# Altium PCB node24.PcbDoc (part 10 of 10)
Units mm, origin at the board's own origin, x right, y up, seen from the top; angles counter-clockwise.
Board outline 177.92 x 177.92 mm, 6 copper layers (L1 - Signal 1 (Top), L2 - Signal 2, L3 - Ground, L4 - Power, L5 - Signal 3, L6 - Signal 4 (Bot)), stack 1.511 mm thick; 721 components, 595 nets, 2782 pads, 2075 vias.
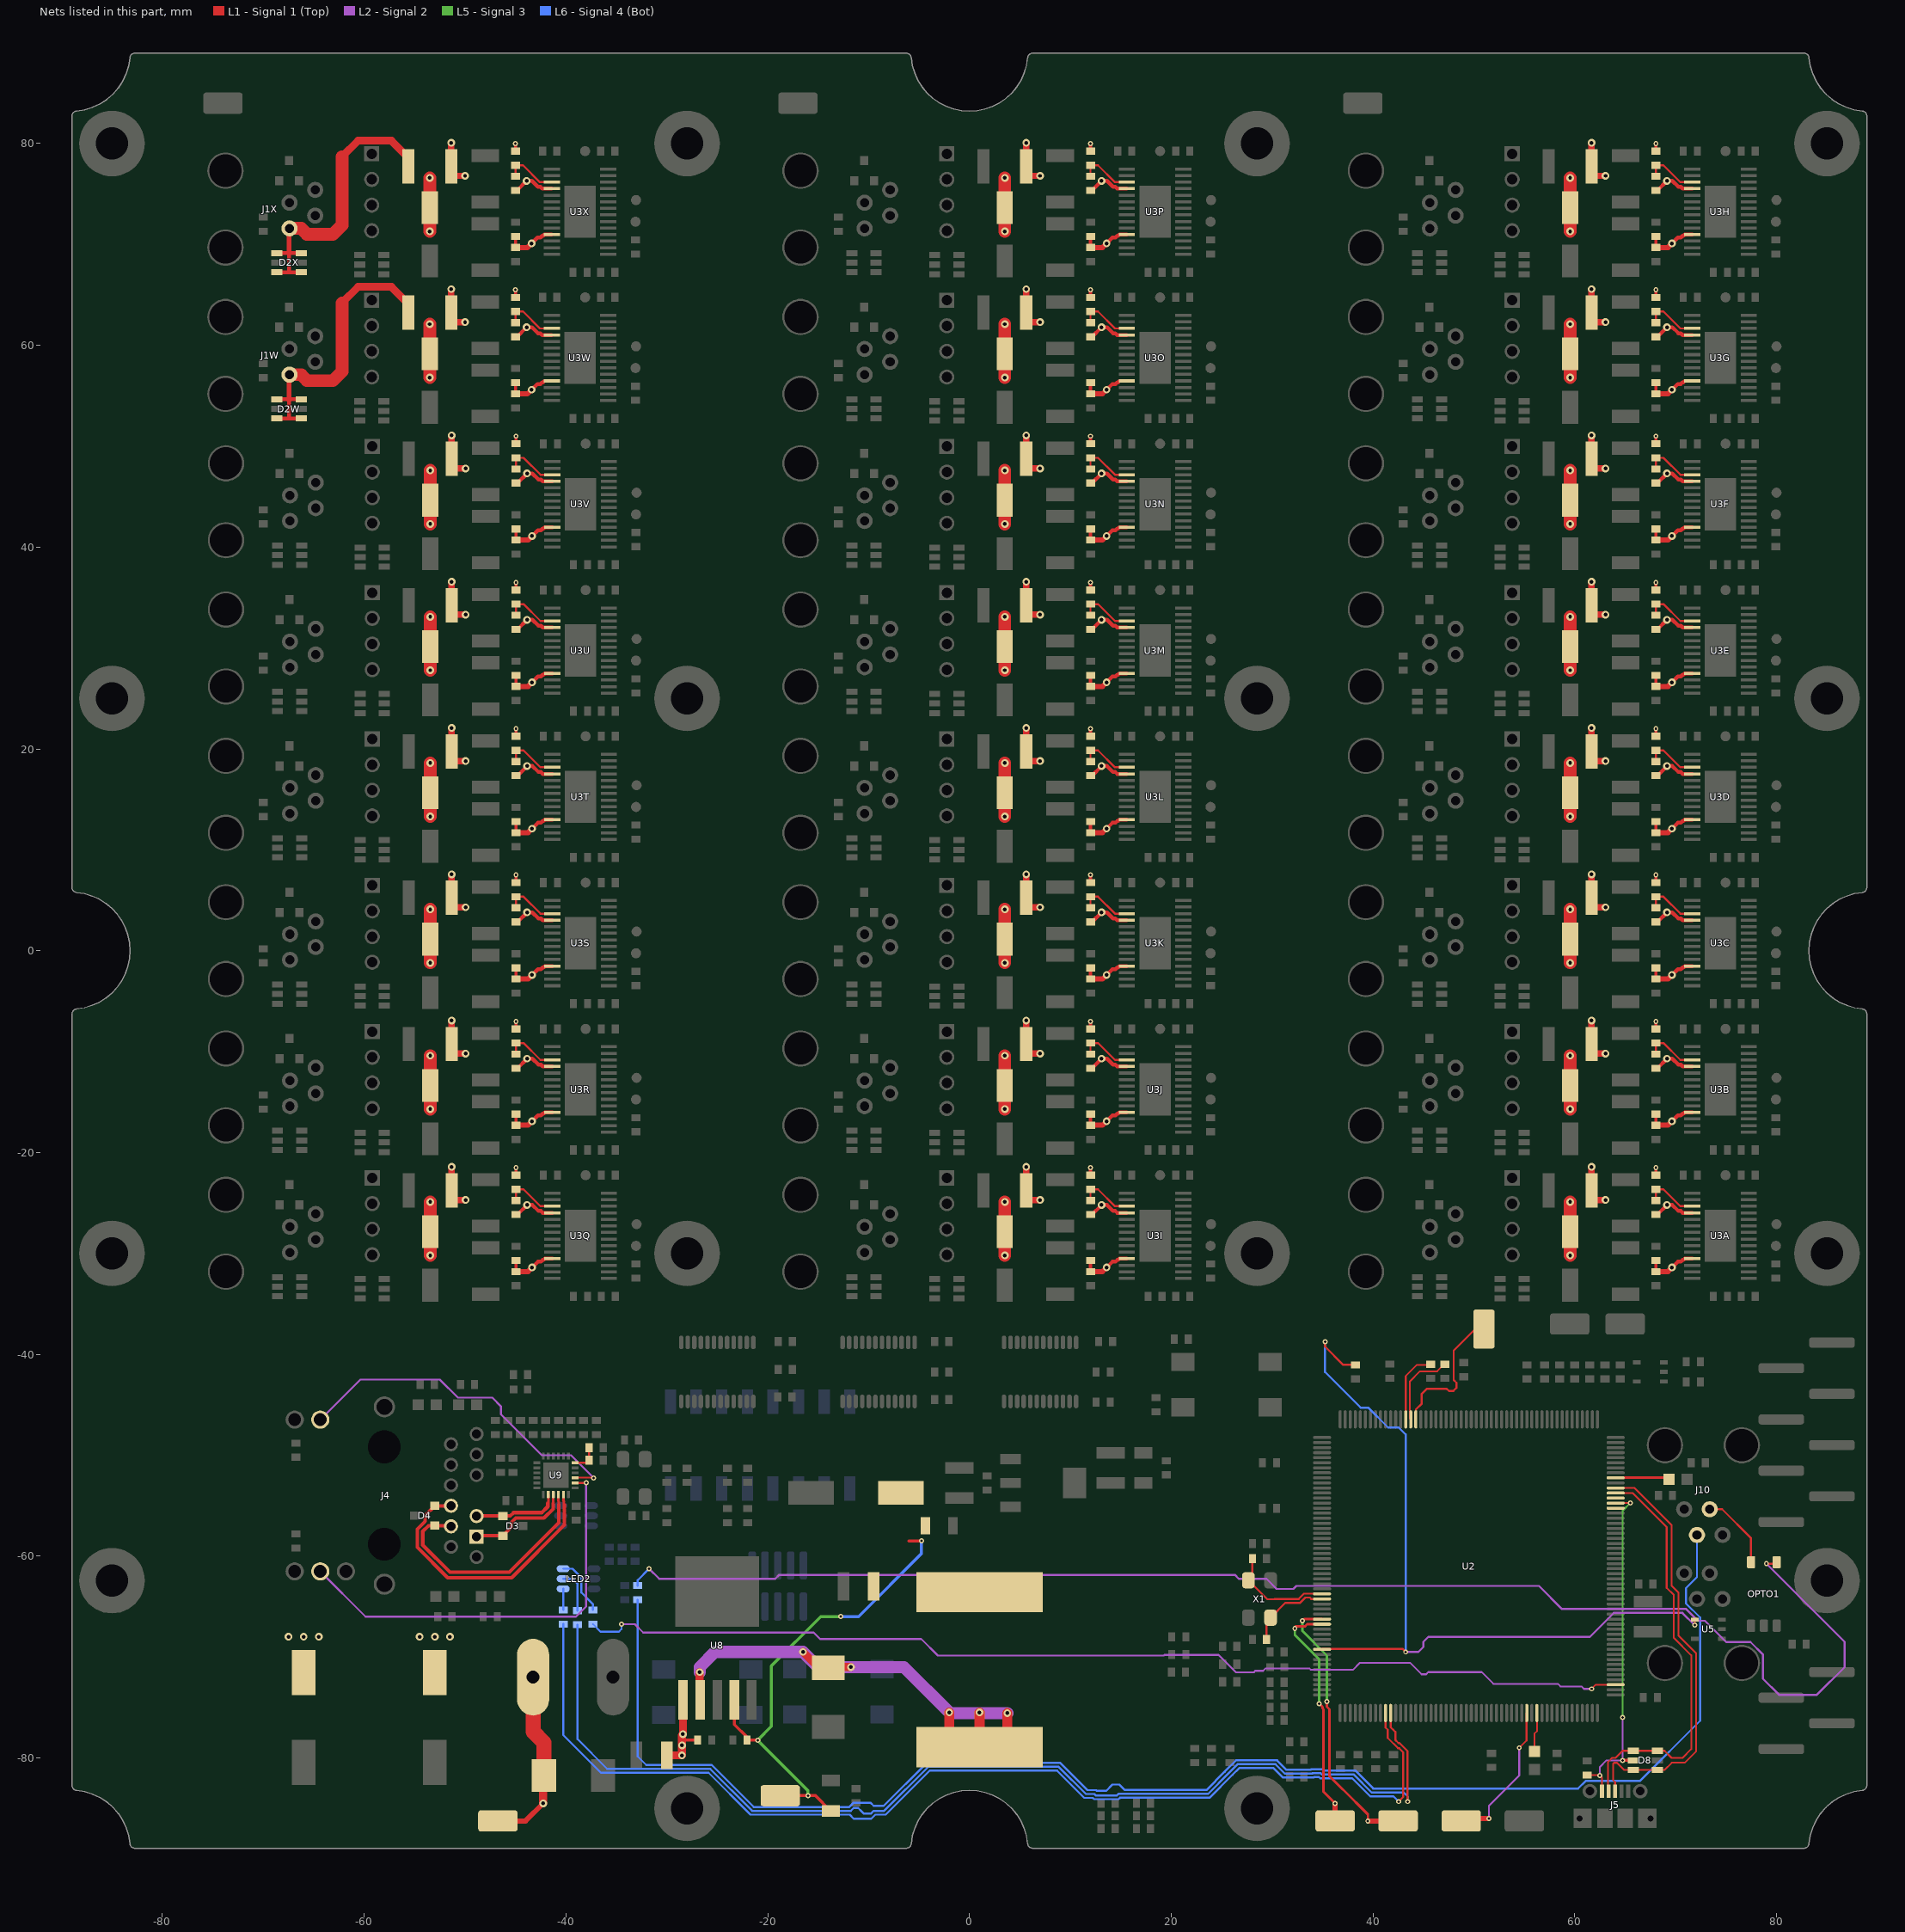
[diagram p14: the nets of this part, all layers, seen from the top]

## Via types
v1: diameter 0.508, hole 0.254, L1 - Signal 1 (Top) to L6 - Signal 4 (Bot), tented both sides, 1661 vias
v2: diameter 0.762, hole 0.381, L1 - Signal 1 (Top) to L6 - Signal 4 (Bot), 403 vias
v3: diameter 0.508, hole 0.254, L1 - Signal 1 (Top) to L6 - Signal 4 (Bot), 11 vias

## Nets (pads, with @x,y where several pads share a name; then routed paths per layer and width w, separated by ;. In a path a pad name is that pad's centre, name@x,y a point inside that pad or via, vN(x,y) a via of type N, cw(c..) or ccw(c..) an arc to the next point about the centre after c; other vN are vias at no path point) (continued)
P24V-LEDW: D2W.1 D2W.3 D2W.4 D2W.6 F1W.1 J1W.1 | length 30.6
  L1 - Signal 1 (Top) w0.381: D2W.6@-68.6,52.75 -67.45,52.75 ; D2W.4@-68.6,54.65 -67.45,54.65 -66.229,54.65 -66.2,54.621 D2W.3@-66.2,54.65 ; -67.45,54.55 -67.45,52.75 ; D2W.1@-66.2,52.75 -67.45,52.75
  L1 - Signal 1 (Top) w0.457: -67.45,54.55 -67.45,54.65 -67.45,56.995 J1W.1@-67.35,57.095
  L1 - Signal 1 (Top) w0.762: -62.2,64.2 -60.609,65.791 -57.291,65.791 -55.625,64.125 F1W.1@-55.625,63.25
  L1 - Signal 1 (Top) w1.27: J1W.1@-67.35,57.095 -66.245,57.095 -65.65,56.5 ; -65.7,56.5 -63.1,56.5 -62.2,57.4 -62.2,64.2
P24V-LEDX: D2X.1 D2X.3 D2X.4 D2X.6 F1X.1 J1X.1 | length 30.6
  L1 - Signal 1 (Top) w0.381: D2X.6@-68.6,67.25 -67.45,67.25 ; D2X.4@-68.6,69.15 -67.45,69.15 -66.229,69.15 -66.2,69.121 D2X.3@-66.2,69.15 ; -67.45,69.05 -67.45,67.25 ; D2X.1@-66.2,67.25 -67.45,67.25
  L1 - Signal 1 (Top) w0.457: -67.45,69.05 -67.45,69.15 -67.45,71.495 J1X.1@-67.35,71.595
  L1 - Signal 1 (Top) w0.762: -62.2,78.7 -60.609,80.291 -57.291,80.291 -55.625,78.625 F1X.1@-55.625,77.75
  L1 - Signal 1 (Top) w1.27: J1X.1@-67.35,71.595 -66.245,71.595 -65.65,71 ; -65.7,71 -63.1,71 -62.2,71.9 -62.2,78.7
PHY-LED-GRN-A: J4.16 U9.2 | length 42
  L1 - Signal 1 (Top) w0.2: U9.2@-39.1,-52.75 v1(-38,-52.75)
  L2 - Signal 2 w0.2: J4.16@-64.35,-61.518 -59.868,-66 -39,-66 -38,-65 v1(-38,-52.75)
PHY-LED-YEL-A: J4.13 U9.3 | length 35.1
  L1 - Signal 1 (Top) w0.2: U9.3@-39.1,-52.25 -39.066,-52.216 -37.284,-52.216 v1(-37.25,-52.25)
  L2 - Signal 2 w0.2: J4.13@-64.35,-46.482 -60.368,-42.5 -52.5,-42.5 -50.7,-44.3 -47.3,-44.3 -46.456,-45.144 -46.456,-45.941 -42.397,-50 -39.5,-50 v1(-37.25,-52.25)
PHY-VDDCR: C63.2 C64.2 U9.6 | length 2.8
  L1 - Signal 1 (Top) w0.2: U9.6@-39.1,-50.75 -37.95,-50.75 C63.2@-37.7,-50.5 C64.2@-37.7,-49.25
RCC-OSC-IN: C79.1 U2.32 X1.3 | length 10.6
  L1 - Signal 1 (Top) w0.2: C79.1@28.05,-60.25 28.05,-62 X1.3@27.65,-62.4 29.534,-64.284 30.221,-64.284 30.256,-64.25 32.627,-64.25 33.149,-63.728 34.928,-63.728 U2.32@34.95,-63.75
RCC-OSC-OUT: C80.2 U2.33 X1.1 | length 8.3
  L1 - Signal 1 (Top) w0.2: C80.2@29.45,-68.25 29.45,-66.5 X1.1@29.85,-66.1 31.32,-64.63 32.785,-64.63 33.307,-64.109 33.749,-64.109 33.891,-64.25 U2.33@34.95,-64.25
RD_N: D4.1 J4.6 U9.22 | length 24.1
  L1 - Signal 1 (Top) w0.254: U9.22@-40.75,-53.9 -40.75,-54.55 -40.7,-54.6 -40.7,-54.9
  L1 - Signal 1 (Top) w0.33: D4.1@-53,-56.98 -51.464,-56.98 J4.6@-51.396,-57.048 J4.6@-51.396,-56.854
  L1 - Signal 1 (Top) w0.356: D4.1@-53,-56.98 -53.628,-56.98 -54.2,-57.552 -54.2,-58.9 -51.5,-61.6 -45.6,-61.6 -40.7,-56.7 -40.7,-54.9
RD_P: D4.2 J4.4 U9.23 | length 27.7
  L1 - Signal 1 (Top) w0.254: U9.23@-40.25,-53.9 -40.25,-54.55 -40.215,-54.585 -40.215,-54.849 -40.164,-54.9
  L1 - Signal 1 (Top) w0.33: D4.2@-53,-55.02 -51.52,-55.02 -51.516,-55.016 J4.4@-51.516,-55.233
  L1 - Signal 1 (Top) w0.356: D4.2@-53,-55.02 -53.959,-55.979 -53.959,-56.552 -54.737,-57.33 -54.737,-59.122 -51.722,-62.137 -45.378,-62.137 -40.163,-56.922 -40.163,-54.9
  L1 - Signal 1 (Top) w0.381: J4.4@-51.516,-55.016 J4.4@-51.396,-55.016
REG5-FB: C81.1 C82.1 C83.1 D11.1 L4.2 R2.1 TP12.1 U8.4 | length 48.4
  L1 - Signal 1 (Top) w0.3: U8.4@-23.3,-74.25 -23.3,-76.7 C83.1@-22.05,-77.95 ; C83.1@-22.05,-78.25 v3(-21,-78.25) ; TP12.1@-18.75,-83.75 v3(-16,-83.75) -15.25,-83.75 D11.1@-13.75,-85.25 ; -6,-58.5 v1(-4.75,-58.5)
  L5 - Signal 3 w0.3: v3(-16,-83.75) -16,-83.25 v3(-21,-78.25) -19.634,-76.884 -19.634,-70.884 -14.75,-66 v3(-12.75,-66)
  L6 - Signal 4 (Bot) w0.3: v3(-12.75,-66) -11,-66 -4.75,-59.75 v1(-4.75,-58.5)
REG5-SW: D10.2 L4.1 U8.2 | length 47.1
  L1 - Signal 1 (Top) w0.8: U8.2@-26.75,-74.3 U8.2@-26.7,-74.25 -26.75,-74.2 v2(-26.75,-71.5) ; v2(-16.5,-69.5) -14.925,-71.075 D10.2@-14,-71.075 -13.925,-71 v2(-11.75,-71)
  L1 - Signal 1 (Top) w1: L4.1@-2,-77 v2(-2,-75.5) ; L4.1@1,-77 v2(1,-75.5) ; L4.1@3.75,-77.25 v2(3.75,-75.567)
  L2 - Signal 2 w1.2: v2(-26.75,-71.5) -26.75,-71 -25.25,-69.5 v2(-16.5,-69.5) -15,-71 -6.5,-71 v2(-2,-75.5) -1.933,-75.567 v2(3.75,-75.567)
SPI-MISO: TP6.1 U2.37 | length 27.5
  L1 - Signal 1 (Top) w0.25: v1(33.02,-66.421) 33.191,-66.25 U2.37@34.95,-66.25 ; v1(35.433,-74.422) 35.433,-74.93 35.687,-75.184 35.687,-81.817 36.979,-83.109 37.008,-83.109 39.5,-85.601 v1(39.5,-86.25)
  L1 - Signal 1 (Top) w0.5: v1(39.5,-86.25) TP6.1@42.5,-86.25
  L5 - Signal 3 w0.25: v1(33.02,-66.421) 33.02,-67.437 35.433,-69.85 v1(35.433,-74.422)
SPI-MOSI: TP7.1 U2.38 | length 23.7
  L1 - Signal 1 (Top) w0.25: v1(32.258,-67.183) 32.258,-67.056 32.334,-66.98 33.252,-66.98 33.482,-66.75 U2.38@34.95,-66.75 ; v1(34.671,-74.625) 35.003,-74.957 35.003,-75.108 35.103,-75.209 35.103,-83.353 v1(36.25,-84.5)
  L1 - Signal 1 (Top) w0.5: TP7.1@36.25,-86.25 v1(36.25,-84.5)
  L5 - Signal 3 w0.25: v1(32.258,-67.183) 32.258,-67.818 34.671,-70.231 v1(34.671,-74.625)
SPI-NSS: TP15.1 U2.193 | length 14.3
  L1 - Signal 1 (Top) w0.2: U2.193@44.25,-46.45 44.25,-45.47 44.839,-44.881 44.839,-43.923 45.328,-43.434 47.325,-43.434 47.532,-43.641 47.968,-43.641 48.284,-43.324 48.284,-42.823 48.006,-42.545 48.006,-39.624 50.13,-37.5 TP15.1@51,-37.5
SPI-SCK: TP5.1 U2.90 | length 14.9
  L1 - Signal 1 (Top) w0.18: TP5.1@48.75,-86.25 TP5.1@49,-86 ; v1(54.5,-79) 55.228,-78.272 55.228,-75.572 U2.90@55.25,-75.55
  L1 - Signal 1 (Top) w0.5: TP5.1@49,-86 v1(51.5,-86)
  L2 - Signal 2 w0.18: v1(51.5,-86) 51.5,-84.75 54.5,-81.75 v1(54.5,-79)
SSYNC: R30.2 U2.43 U5.4 | length 79.4
  L1 - Signal 1 (Top) w0.2: U2.43@34.95,-69.25 35.011,-69.189 42.939,-69.189 v1(43.25,-69.5) ; v1(35.25,-38.75) 35.25,-39.25 37.05,-41.05 R30.2@38.25,-41.05 ; v1(71.9,-66.85) U5.4@71.9,-66.3
  L2 - Signal 2 w0.2: v1(43.25,-69.5) 44.5,-69.5 45,-69 45,-68.5 45.5,-68 61.5,-68 63.87,-65.63 70.68,-65.63 v1(71.9,-66.85)
  L6 - Signal 4 (Bot) w0.2: v1(35.25,-38.75) 35.25,-41.756 38.779,-45.284 39.534,-45.284 41.5,-47.25 42.547,-47.25 43.25,-47.953 v1(43.25,-69.5)
SSYNC-EXT: J10.2 R56.2 | length 151.3
  L6 - Signal 4 (Bot) w0.203: R56.2@-32.893,-64.327 -32.893,-79.857 -32.046,-80.704 -25.546,-80.704 -21.384,-84.866 -11.917,-84.866 -11.514,-84.464 -9.778,-84.464 -9.492,-84.75 -8.5,-84.75 -4.25,-80.5 9.003,-80.5 11.703,-83.2 12.538,-83.2 12.613,-83.275 13.547,-83.275 14.179,-82.643 14.86,-82.643 15.403,-83.186 23.49,-83.186 25.301,-81.375 25.301,-81.367 26.417,-80.25 30.5,-80.25 31.437,-81.187 33.815,-81.187 33.879,-81.123 34.955,-81.123 35.085,-81.253 35.689,-81.253 35.691,-81.25 38.242,-81.25 40.028,-83.036 60.34,-83.036 61.083,-82.293 66.457,-82.293 72.436,-76.314 72.436,-66.096 71.038,-64.698 71.038,-63.168 72.12,-62.086 J10.2@72.12,-57.9
SSYNC-EXT-GND: J10.3 OPTO1.3 | length 7.6
  L1 - Signal 1 (Top) w0.2: J10.3@73.39,-55.36 74.61,-55.36 77.48,-58.23 OPTO1.3@77.48,-60.6
SSYNC-OPTO-R: OPTO1.1 R56.1 | length 143.5
  L1 - Signal 1 (Top) w0.2: v1(79,-60.75) 79.87,-60.75 OPTO1.1@80.02,-60.6
  L2 - Signal 2 w0.2: v1(-31.75,-61.25) -30.75,-62.25 -19.25,-62.25 -18.859,-61.859 26.305,-61.859 26.696,-62.25 29.46,-62.25 30.46,-63.25 32.116,-63.25 32.409,-62.957 56.457,-62.957 58.75,-65.25 71.054,-65.25 72.12,-66.316 72.121,-66.316 72.22,-66.415 72.915,-66.415 75.02,-68.52 77.427,-68.52 78.645,-69.738 78.645,-72.145 80.25,-73.75 84,-73.75 86.75,-71 86.75,-68.5 v1(79,-60.75)
  L6 - Signal 4 (Bot) w0.2: R56.1@-32.893,-62.927 -32.893,-62.393 v1(-31.75,-61.25)
STAT-LED-B: R67.2 U2.107 | length 106.3
  L1 - Signal 1 (Top) w0.18: v1(61.663,-73.163) 62.077,-72.75 U2.107@64.05,-72.75
  L2 - Signal 2 w0.18: v1(-34.5,-66.75) -33.168,-66.75 -32.337,-67.581 -15.437,-67.581 -14.8,-68.218 -4.782,-68.218 -3.133,-69.867 19.267,-69.867 19.334,-69.8 24.7,-69.8 26.425,-71.525 28.189,-71.525 28.335,-71.378 29.114,-71.378 29.367,-71.124 33.697,-71.124 33.847,-71.275 38.018,-71.275 38.718,-70.575 43.682,-70.575 44.821,-71.714 45.271,-71.714 45.48,-71.505 50.787,-71.505 51.946,-72.664 58.334,-72.664 58.587,-72.918 60.668,-72.918 60.913,-73.163 v1(61.663,-73.163)
  L6 - Signal 4 (Bot) w0.18: R67.2@-37.338,-66.74 -36.578,-67.5 -34.75,-67.5 -34.5,-67.25 v1(-34.5,-66.75)
STAT-LED-B-R: LED2.6 R67.1 | length 5.9
  L6 - Signal 4 (Bot) w0.203: LED2.6@-40.275,-61.25 -39.334,-61.25 -38.481,-62.103 -38.481,-62.577 -38.478,-62.579 -38.478,-63.61 -37.338,-64.75 R67.1@-37.338,-65.34
STAT-LED-G: R73.1 U2.63 | length 112.7
  L1 - Signal 1 (Top) w0.2: U2.63@41.75,-75.55 41.75,-76.956 42,-77.206
  L1 - Signal 1 (Top) w0.203: 42,-77.206 42.214,-77.421 42.214,-78.222 42.528,-78.536 42.632,-78.536 43.434,-79.338 v1(43.434,-84.328)
  L6 - Signal 4 (Bot) w0.203: R73.1@-38.862,-66.802 -38.862,-78.138 -35.912,-81.088 -25.705,-81.088 -21.542,-85.25 -11.758,-85.25 -11.472,-84.964 -11.028,-84.964 -10.714,-85.278 -10.714,-85.286 -10.464,-85.536 -9.778,-85.536 -9.492,-85.25 -8.458,-85.25 -4.091,-80.884 8.844,-80.884 11.544,-83.584 12.38,-83.584 12.511,-83.715 14.623,-83.715 14.768,-83.569 23.649,-83.569 25.684,-81.534 25.684,-81.525 26.576,-80.634 30.341,-80.634 31.278,-81.57 33.974,-81.57 34.037,-81.507 34.797,-81.507 34.926,-81.636 35.848,-81.636 35.85,-81.634 38.083,-81.634 39.889,-83.439 43.053,-83.439 43.434,-83.82 v1(43.434,-84.328)
STAT-LED-G-R: LED2.5 R73.2 | length 4.3
  L6 - Signal 4 (Bot) w0.203: LED2.5@-40.275,-62.25 -39.35,-62.25 -38.862,-62.738 R73.2@-38.862,-65.402
STAT-LED-R: R74.2 U2.62 | length 112.8
  L1 - Signal 1 (Top) w0.2: U2.62@41.25,-75.55 41.25,-76.994 41.466,-77.21 41.466,-78.014 42.499,-79.047 42.602,-79.047 43,-79.445 43,-83.873 v1(42.545,-84.328)
  L6 - Signal 4 (Bot) w0.2: R74.2@-40.259,-66.74 -40.259,-77.734 -36.523,-81.47 -25.863,-81.47 -21.701,-85.632 -11.874,-85.632 -11.471,-86.034 -9.736,-86.034 -9.334,-85.632 -8.299,-85.632 -3.933,-81.265 8.686,-81.265 11.386,-83.966 12.221,-83.966 12.353,-84.097 14.781,-84.097 14.926,-83.951 23.807,-83.951 26.066,-81.692 26.066,-81.684 26.735,-81.015 30.155,-81.015 31.091,-81.952 34.132,-81.952 34.196,-81.889 34.638,-81.889 34.768,-82.018 36.006,-82.018 36.008,-82.016 37.925,-82.016 39.73,-83.821 42.038,-83.821 v1(42.545,-84.328)
STAT-LED-R-R: LED2.4 R74.1 | length 2.1
  L6 - Signal 4 (Bot) w0.203: LED2.4@-40.275,-63.25 -40.259,-63.266 R74.1@-40.259,-65.34
TD_N: D3.1 J4.3 U9.20 | length 8.6
  L1 - Signal 1 (Top) w0.254: -41.75,-54.75 U9.20@-41.75,-53.9
  L1 - Signal 1 (Top) w0.33: J4.3@-48.856,-56.02 D3.1@-46.25,-56.02
  L1 - Signal 1 (Top) w0.356: D3.1@-46.25,-56.02 -45.52,-56.02 -45.2,-55.7 -42.4,-55.7 -41.8,-55.1 -41.8,-54.75
TD_P: D3.2 J4.1 U9.21 | length 10.4
  L1 - Signal 1 (Top) w0.254: -41.25,-54.75 U9.21@-41.25,-53.9
  L1 - Signal 1 (Top) w0.33: J4.1@-48.856,-57.98 D3.2@-46.25,-57.98
  L1 - Signal 1 (Top) w0.356: D3.2@-46.25,-57.98 -45.4,-57.13 -45.4,-56.659 -44.978,-56.237 -42.178,-56.237 -41.263,-55.322 -41.263,-54.777
UART-RX: R65.1 U2.194 | length 7.8
  L1 - Signal 1 (Top) w0.18: U2.194@43.75,-46.45 43.671,-46.371 43.671,-42.679 44.662,-41.688 46.363,-41.688 47,-41.05 R65.1@47,-41.011
UART-TX: R66.1 U2.195 | length 6.8
  L1 - Signal 1 (Top) w0.18: U2.195@43.25,-46.45 43.25,-42.15 44.35,-41.05 45.25,-41.05
USB-FS-D_N: D8.3 D8.4 J5.2 U2.145 | length 41.8
  L1 - Signal 1 (Top) w0.18: J5.2@63.35,-83.3 63.35,-83.05 63.315,-83.015 63.315,-80.392 63.699,-80.007 64.043,-80.007 64.751,-79.3 D8.4@65.8,-79.3 D8.3@68.2,-79.3 68.9,-79.3 69.6,-80 70.7,-80 71.557,-79.143 71.557,-69.843 69.815,-68.101 69.815,-63.845 69.115,-63.145 69.115,-57.115 65.75,-53.75 U2.145@64.05,-53.75
USB-FS-D_P: D8.1 D8.6 J5.3 U2.146 | length 42.6
  L1 - Signal 1 (Top) w0.18: J5.3@64,-83.3 64,-82.4 63.8,-82.2 63.8,-80.593 63.9,-80.493 64.193,-80.493 64.9,-81.2 D8.6@65.8,-81.2 D8.1@68.2,-81.2 68.9,-81.2 69.615,-80.485 70.901,-80.485 72.042,-79.344 72.042,-69.642 70.3,-67.9 70.3,-63.644 69.6,-62.944 69.6,-56.914 65.936,-53.25 U2.146@64.05,-53.25
USB-FS-ID: U2.144
USB-FS-SOF: U2.142
USB-FS-VBUS: C77.1 D8.5 J5.1 U2.143 | length 34.7
  L1 - Signal 1 (Top) w0.18: C77.1@61.3,-81.75 C77.1@61.25,-81.7 62.45,-81.7 v1(62.5,-81.75) 62.7,-81.95 J5.1@62.7,-83.3 ; U2.143@64.05,-54.75 v1(65.5,-54.75)
  L1 - Signal 1 (Top) w0.3: v1(64.75,-80.25) D8.5@65.8,-80.25
  L2 - Signal 2 w0.18: v1(62.5,-81.75) 62.5,-80.9 63.15,-80.25 v1(64.75,-80.25) v1(64.75,-76)
  L5 - Signal 3 w0.18: v1(64.75,-76) 64.75,-55.5 v1(65.5,-54.75)
VCAP_1: C32.1 U2.92 | length 4.1
  L1 - Signal 1 (Top) w0.18: C32.1@56,-79.55 C32.1@56,-79.35 56,-77.604 56.278,-77.326 56.278,-75.578 U2.92@56.25,-75.55
VCAP_2: C33.1 U2.148 | length 5.3
  L1 - Signal 1 (Top) w0.18: U2.148@64.05,-52.25 U2.148@64.075,-52.225
  L1 - Signal 1 (Top) w0.25: U2.148@64.075,-52.225 69.1,-52.225 C33.1@69.1,-52.5
VCPA: C58A.2 R20A.1 U3A.3 | length 5.4
  L1 - Signal 1 (Top) w0.203: C58A.2@68.05,-24.75 68.05,-24.5 R20A.1@68.05,-23.65 68.8,-23.65 70.475,-25.325 U3A.3@71.65,-25.325
VCPB: C58B.2 R20B.1 U3B.3 | length 5.4
  L1 - Signal 1 (Top) w0.203: C58B.2@68.05,-10.25 R20B.1@68.05,-9.15 68.8,-9.15 70.475,-10.825 U3B.3@71.65,-10.825
VCPC: C58C.2 R20C.1 U3C.3 | length 5.4
  L1 - Signal 1 (Top) w0.203: C58C.2@68.05,4.25 68.05,4.5 R20C.1@68.05,5.35 68.8,5.35 70.475,3.675 U3C.3@71.65,3.675
VCPD: C58D.2 R20D.1 U3D.3 | length 5.4
  L1 - Signal 1 (Top) w0.203: C58D.2@68.05,18.75 68.05,19 R20D.1@68.05,19.85 68.8,19.85 70.475,18.175 U3D.3@71.65,18.175
VCPE: C58E.2 R20E.1 U3E.3 | length 5.4
  L1 - Signal 1 (Top) w0.203: C58E.2@68.05,33.25 68.05,33.5 R20E.1@68.05,34.35 68.8,34.35 70.475,32.675 U3E.3@71.65,32.675
VCPF: C58F.2 R20F.1 U3F.3 | length 5.4
  L1 - Signal 1 (Top) w0.203: C58F.2@68.05,47.75 68.05,48 R20F.1@68.05,48.85 68.8,48.85 70.475,47.175 U3F.3@71.65,47.175
VCPG: C58G.2 R20G.1 U3G.3 | length 5.4
  L1 - Signal 1 (Top) w0.203: C58G.2@68.05,62.25 68.05,62.5 R20G.1@68.05,63.35 68.8,63.35 70.475,61.675 U3G.3@71.65,61.675
VCPH: C58H.2 R20H.1 U3H.3 | length 5.4
  L1 - Signal 1 (Top) w0.203: C58H.2@68.05,76.75 68.05,77 R20H.1@68.05,77.85 68.8,77.85 70.475,76.175 U3H.3@71.65,76.175
VCPI: C58I.2 R20I.1 U3I.3 | length 5.4
  L1 - Signal 1 (Top) w0.203: C58I.2@12,-24.75 12,-24.5 R20I.1@12,-23.65 12.75,-23.65 14.425,-25.325 U3I.3@15.6,-25.325
VCPJ: C58J.2 R20J.1 U3J.3 | length 5.4
  L1 - Signal 1 (Top) w0.203: C58J.2@12,-10.25 12,-10 R20J.1@12,-9.15 12.75,-9.15 14.425,-10.825 U3J.3@15.6,-10.825
VCPK: C58K.2 R20K.1 U3K.3 | length 5.4
  L1 - Signal 1 (Top) w0.203: C58K.2@12,4.25 12,4.5 R20K.1@12,5.35 12.75,5.35 14.425,3.675 U3K.3@15.6,3.675
VCPL: C58L.2 R20L.1 U3L.3 | length 5.4
  L1 - Signal 1 (Top) w0.203: C58L.2@12,18.75 12,19 R20L.1@12,19.85 12.75,19.85 14.425,18.175 U3L.3@15.6,18.175
VCPM: C58M.2 R20M.1 U3M.3 | length 5.4
  L1 - Signal 1 (Top) w0.203: C58M.2@12,33.25 12,33.5 R20M.1@12,34.35 12.75,34.35 14.425,32.675 U3M.3@15.6,32.675
VCPN: C58N.2 R20N.1 U3N.3 | length 5.4
  L1 - Signal 1 (Top) w0.203: C58N.2@12,47.75 12,48 R20N.1@12,48.85 12.75,48.85 14.425,47.175 U3N.3@15.6,47.175
VCPO: C58O.2 R20O.1 U3O.3 | length 5.4
  L1 - Signal 1 (Top) w0.203: C58O.2@12,62.25 12,62.5 R20O.1@12,63.35 12.75,63.35 14.425,61.675 U3O.3@15.6,61.675
VCPP: C58P.2 R20P.1 U3P.3 | length 5.4
  L1 - Signal 1 (Top) w0.203: C58P.2@12,76.75 12,77 R20P.1@12,77.85 12.75,77.85 14.425,76.175 U3P.3@15.6,76.175
VCPQ: C58Q.2 R20Q.1 U3Q.3 | length 5.4
  L1 - Signal 1 (Top) w0.203: C58Q.2@-44.95,-24.75 -44.95,-24.5 R20Q.1@-44.95,-23.65 -44.2,-23.65 -42.525,-25.325 U3Q.3@-41.35,-25.325
VCPR: C58R.2 R20R.1 U3R.3 | length 5.4
  L1 - Signal 1 (Top) w0.203: C58R.2@-44.95,-10.25 -44.95,-10 R20R.1@-44.95,-9.15 -44.2,-9.15 -42.525,-10.825 U3R.3@-41.35,-10.825
VCPS: C58S.2 R20S.1 U3S.3 | length 5.4
  L1 - Signal 1 (Top) w0.203: C58S.2@-44.95,4.25 -44.95,4.5 R20S.1@-44.95,5.35 -44.2,5.35 -42.525,3.675 U3S.3@-41.35,3.675
VCPT: C58T.2 R20T.1 U3T.3 | length 5.4
  L1 - Signal 1 (Top) w0.203: C58T.2@-44.95,18.75 -44.95,19 R20T.1@-44.95,19.85 -44.2,19.85 -42.525,18.175 U3T.3@-41.35,18.175
VCPU: C58U.2 R20U.1 U3U.3 | length 5.4
  L1 - Signal 1 (Top) w0.203: C58U.2@-44.95,33.25 -44.95,33.5 R20U.1@-44.95,34.35 -44.2,34.35 -42.525,32.675 U3U.3@-41.35,32.675
VCPV: C58V.2 R20V.1 U3V.3 | length 5.4
  L1 - Signal 1 (Top) w0.203: C58V.2@-44.95,47.75 -44.95,48 R20V.1@-44.95,48.85 -44.2,48.85 -42.525,47.175 U3V.3@-41.35,47.175
VCPW: C58W.2 R20W.1 U3W.3 | length 5.4
  L1 - Signal 1 (Top) w0.203: C58W.2@-45,62.25 -45,62.5 R20W.1@-45,63.35 -44.25,63.35 -42.575,61.675 U3W.3@-41.4,61.675
VCPX: C58X.2 R20X.1 U3X.3 | length 5.4
  L1 - Signal 1 (Top) w0.203: C58X.2@-45,76.75 -45,77 R20X.1@-45,77.85 -44.25,77.85 -42.575,76.175 U3X.3@-41.4,76.175
VIN24: C1.1 C3A.1 C3B.1 C3C.1 C3D.1 C3E.1 C3F.1 C3G.1 C3H.1 C3I.1 C3J.1 C3K.1 C3L.1 C3M.1 C3N.1 C3O.1 C3P.1 C3Q.1 C3R.1 C3S.1 C3T.1 C3U.1 C3V.1 C3W.1 C3X.1 C6.1 C8.1 C12.1 C41A.1 C41B.1 C41C.1 C41D.1 C41E.1 C41F.1 C41G.1 C41H.1 C41I.1 C41J.1 C41K.1 C41L.1 C41M.1 C41N.1 C41O.1 C41P.1 C41Q.1 C41R.1 C41S.1 C41T.1 C41U.1 C41V.1 C41W.1 C41X.1 C42A.1 C42B.1 C42C.1 C42D.1 C42E.1 C42F.1 C42G.1 C42H.1 C42I.1 C42J.1 C42K.1 C42L.1 C42M.1 C42N.1 C42O.1 C42P.1 C42Q.1 C42R.1 C42S.1 C42T.1 C42U.1 C42V.1 C42W.1 C42X.1 C58A.1 C58B.1 C58C.1 C58D.1 C58E.1 C58F.1 C58G.1 C58H.1 C58I.1 C58J.1 C58K.1 C58L.1 C58M.1 C58N.1 C58O.1 C58P.1 C58Q.1 C58R.1 C58S.1 C58T.1 C58U.1 C58V.1 C58W.1 C58X.1 D5.2 F1A.2 F1B.2 F1C.2 F1D.2 F1E.2 F1F.2 F1G.2 F1H.2 F1I.2 F1J.2 F1K.2 F1L.2 F1M.2 F1N.2 F1O.2 F1P.2 F1Q.2 F1R.2 F1S.2 F1T.2 F1U.2 F1V.2 F1W.2 F1X.2 J8.1 R20A.2 R20B.2 R20C.2 R20D.2 R20E.2 R20F.2 R20G.2 R20H.2 R20I.2 R20J.2 R20K.2 R20L.2 R20M.2 R20N.2 R20O.2 R20P.2 R20Q.2 R20R.2 R20S.2 R20T.2 R20U.2 R20V.2 R20W.2 R20X.2 TP10.1 U3A.4 U3A.11 U3B.4 U3B.11 U3C.4 U3C.11 U3D.4 U3D.11 U3E.4 U3E.11 U3F.4 U3F.11 U3G.4 U3G.11 U3H.4 U3H.11 U3I.4 U3I.11 U3J.4 U3J.11 U3K.4 U3K.11 U3L.4 U3L.11 U3M.4 U3M.11 U3N.4 U3N.11 U3O.4 U3O.11 U3P.4 U3P.11 U3Q.4 U3Q.11 U3R.4 U3R.11 U3S.4 U3S.11 U3T.4 U3T.11 U3U.4 U3U.11 U3V.4 U3V.11 U3W.4 U3W.11 U3X.4 U3X.11 U8.1 | length 505.9
  L1 - Signal 1 (Top) w0.3: -28.5,-78.25 C12.1@-26.95,-78.25
  L1 - Signal 1 (Top) w0.305: C42W.1@-45,55.2 C41W.1@-45,56.3 ; R20W.2@-45,64.75 v1(-45,65.5) ; C42X.1@-45,69.7 C41X.1@-45,70.8 ; R20X.2@-45,79.25 v1(-45,80) ; C42Q.1@-44.95,-31.8 C41Q.1@-44.95,-30.7 ; R20Q.2@-44.95,-22.25 v1(-44.95,-21.5) ; C42R.1@-44.95,-17.3 C41R.1@-44.95,-16.2 ; R20R.2@-44.95,-7.75 v1(-44.95,-7) ; C42S.1@-44.95,-2.8 C41S.1@-44.95,-1.7 ; R20S.2@-44.95,6.75 v1(-44.95,7.5) ; C42T.1@-44.95,11.7 C41T.1@-44.95,12.8 ; R20T.2@-44.95,21.25 v1(-44.95,22) ; C42U.1@-44.95,26.2 C41U.1@-44.95,27.3 ; R20U.2@-44.95,35.75 v1(-44.95,36.5) ; C42V.1@-44.95,40.7 C41V.1@-44.95,41.8 ; R20V.2@-44.95,50.25 v1(-44.95,51) ; C42I.1@12,-31.8 C41I.1@12,-30.7 ; R20I.2@12,-22.25 v1(12,-21.5) ; C42J.1@12,-17.3 C41J.1@12,-16.2 ; R20J.2@12,-7.75 v1(12,-7) ; C42K.1@12,-2.8 C41K.1@12,-1.7 ; R20K.2@12,6.75 v1(12,7.5) ; C42L.1@12,11.7 C41L.1@12,12.8 ; R20L.2@12,21.25 v1(12,22) ; C42M.1@12,26.2 C41M.1@12,27.3 ; R20M.2@12,35.75 v1(12,36.5) ; C42N.1@12,40.7 C41N.1@12,41.8 ; R20N.2@12,50.25 v1(12,51) ; C42O.1@12,55.2 C41O.1@12,56.3 ; R20O.2@12,64.75 v1(12,65.5) ; C42P.1@12,69.7 C41P.1@12,70.8 ; R20P.2@12,79.25 v1(12,80) ; C42A.1@68.05,-31.8 C41A.1@68.05,-30.7 ; R20A.2@68.05,-22.25 v1(68.05,-21.5) ; C42B.1@68.05,-17.3 C41B.1@68.05,-16.2 ; R20B.2@68.05,-7.75 v1(68.05,-7) ; C42C.1@68.05,-2.8 C41C.1@68.05,-1.7 ; R20C.2@68.05,6.75 v1(68.05,7.5) ; C42D.1@68.05,11.7 C41D.1@68.05,12.8 ; R20D.2@68.05,21.25 v1(68.05,22) ; C42E.1@68.05,26.2 C41E.1@68.05,27.3 ; R20E.2@68.05,35.75 v1(68.05,36.5) ; C42F.1@68.05,40.7 C41F.1@68.05,41.8 ; R20F.2@68.05,50.25 v1(68.05,51) ; C42G.1@68.05,55.2 C41G.1@68.05,56.3 ; R20G.2@68.05,64.75 v1(68.05,65.5) ; C42H.1@68.05,69.7 C41H.1@68.05,70.8 ; R20H.2@68.05,79.25 v1(68.05,80)